# Allegro board FMDEMOD-Long.brd (continued)
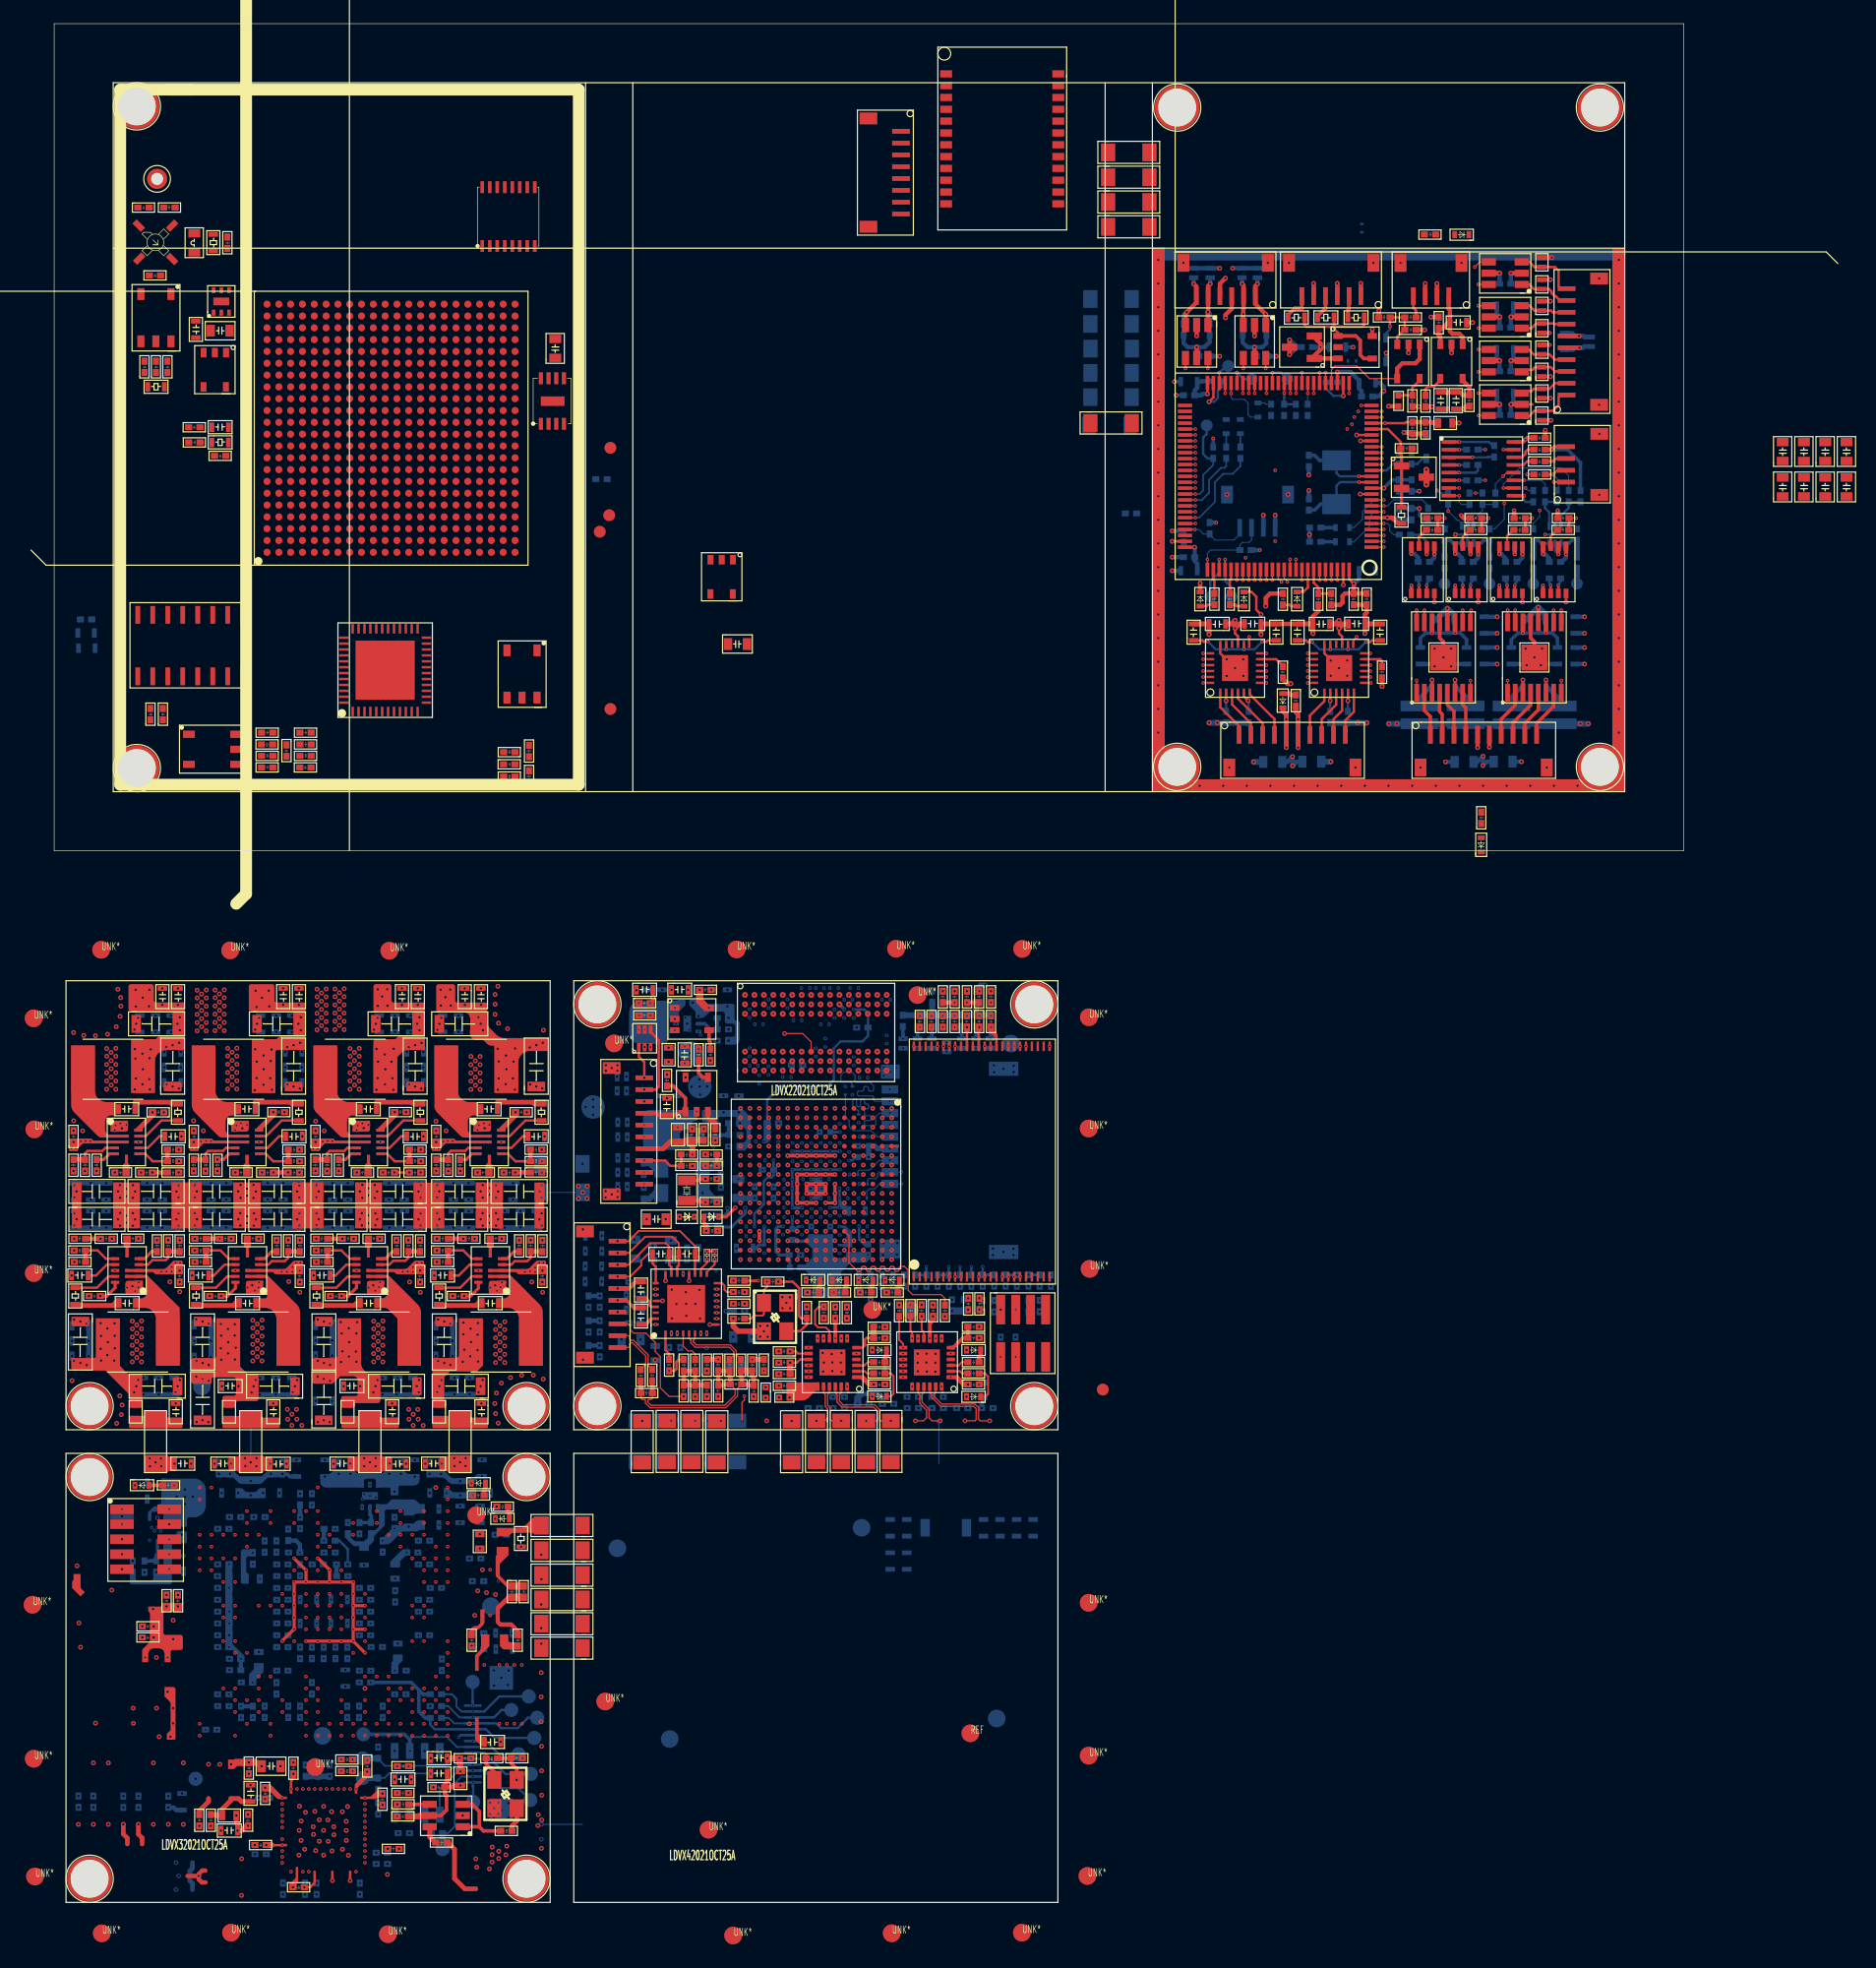
[diagram p0: board, top side]
## Placement (name value [footprint] x y rotation side) (continued)
C287  0.22uF  [C0201]  62.35 -19.3 180 bottom
C288  0.22uF  [C0201]  68.84 -19.34 180 bottom
C289  0.22uF  [C0201]  59.84 -19.05 270 bottom
C290  0.1uF/25V  [C0603]  31.36 -20.04 180 bottom
C291  0.1uF/25V  [C0603]  21.07 -20.04 180 bottom
C292  0.1uF/25V  [C0603]  10.83 -20.04 180 bottom
C293  0.1uF  [C0201]  64.95 -20.58 90 bottom
C294  0.1uF  [C0201]  63.41 -19.97 270 bottom
C295  10uF  [C0603]  58.38 -20.63 270 bottom
C296  10uF  [C0603]  57.08 -20.63 270 bottom
C297  10uF  [C0603]  53.1 -20.63 270 bottom
C298  10uF  [C0603]  51.79 -20.63 270 bottom
C299  10uF  [C0402]  60.37 -22.81 0 bottom
C300  0.1uF  [C0201]  66.37 -23.76 90 bottom
C301  0.1uF  [C0201]  68.84 -24.35 180 bottom
C302  0.22uF  [C0201]  60.07 -24.74 180 bottom
C303  0.22uF  [C0201]  66.37 -25.38 90 bottom
C304  0.22uF  [C0201]  65.57 -25.38 90 bottom
C305  0.22uF  [C0201]  64.77 -25.38 90 bottom
C306  0.22uF  [C0201]  63.97 -25.38 90 bottom
C307  0.22uF  [C0201]  63.17 -25.38 90 bottom
C308  0.22uF  [C0201]  62.37 -25.38 90 bottom
C309  0.1uF  [C0201]  67.47 -25.55 270 bottom
C310  0.22uF  [C0201]  60.86 -26.34 180 bottom
C311  0.22uF  [C0201]  66.37 -26.94 90 bottom
C312  0.1uF  [C0201]  65.57 -26.94 90 bottom
C313  0.1uF  [C0201]  64.77 -26.94 90 bottom
C314  0.1uF  [C0201]  63.97 -26.94 90 bottom
C315  0.22uF  [C0201]  63.17 -26.94 90 bottom
C316  0.22uF  [C0201]  62.37 -26.94 90 bottom
C317  22uF  [C0402]  60.93 -27.25 180 bottom
C318  0.22uF  [C0201]  64.97 -27.65 0 bottom
C319  0.22uF  [C0201]  64.05 -27.95 180 bottom
C320  0.1uF  [C0201]  62.45 -27.98 180 bottom
C321  0.22uF  [C0201]  62.45 -28.74 180 bottom
C322  10uF  [C0805]  58.55 -27.59 270 bottom
C323  0.22uF  [C0201]  66.56 -28.45 0 bottom
C324  0.22uF  [C0402]  65.02 -28.85 180 bottom
C325  0.1uF/50V  [C0603]  34.7 -29.62 90 bottom
C326  0.1uF/50V  [C0603]  33.41 -29.62 90 bottom
C327  0.1uF/50V  [C0603]  32.12 -29.62 90 bottom
C328  0.1uF/50V  [C0603]  30.54 -29.63 90 bottom
C329  0.1uF/50V  [C0603]  29.24 -29.63 90 bottom
C330  0.1uF/50V  [C0603]  27.96 -29.63 90 bottom
C331  0.1uF/50V  [C0603]  24.46 -29.63 90 bottom
C332  0.1uF/50V  [C0603]  23.18 -29.63 90 bottom
C333  0.1uF/50V  [C0603]  21.89 -29.63 90 bottom
C334  0.1uF/50V  [C0603]  20.28 -29.63 90 bottom
C335  0.1uF/50V  [C0603]  19.79 -28.02 270 bottom
C336  0.1uF/50V  [C0603]  18.48 -28.02 270 bottom
C337  0.1uF/50V  [C0603]  14.97 -28.02 270 bottom
C338  0.1uF/50V  [C0603]  12.89 -29.63 90 bottom
C339  0.1uF/50V  [C0603]  11.59 -29.63 90 bottom
C340  0.1uF/25V  [C0603]  10.06 -29.63 90 bottom
C341  0.1uF/25V  [C0603]  8.76 -29.63 90 bottom
C342  0.1uF/25V  [C0603]  7.47 -29.63 90 bottom
C343  0.1uF/25V  [C0603]  3.99 -29.63 90 bottom
C344  0.1uF/25V  [C0603]  2.69 -29.63 90 bottom
C345  0.1uF/25V  [C0603]  1.4 -29.63 90 bottom
C346  0.1uF/50V  [C0603]  37.15 -29.63 90 bottom
C347  0.1uF/50V  [C0603]  38.45 -29.63 90 bottom
C348  0.1uF  [C0402]  59.58 -28.42 270 bottom
C349  0.22uF  [C0402]  60.68 -29.42 90 bottom
C350  0.22uF  [C0201]  64.97 -29.25 0 bottom
C351  0.22uF  [C0201]  64.05 -29.55 180 bottom
C352  0.22uF  [C0201]  62.45 -29.55 180 bottom
C353  0.22uF  [C0201]  66.56 -29.25 0 bottom
C354  0.22uF  [C0201]  62.45 -30.35 180 bottom
C355  10uF  [C0603]  67.19 -30.08 0 bottom
C356  0.22uF  [C0201]  66.66 -30.24 270 bottom
C357  0.22uF  [C0201]  65.87 -30.24 270 bottom
C358  0.22uF  [C0201]  63.47 -30.24 270 bottom
C359  0.1uF  [C0201]  64.77 -30.96 90 bottom
C360  0.1uF  [C0201]  63.97 -30.96 90 bottom
C361  0.1uF  [C0402]  55.21 -30.64 0 bottom
C362  0.1uF  [C0201]  62.45 -31.15 180 bottom
C363  0.1uF  [C0201]  60.86 -31.15 180 bottom
C364  0.1uF/50V  [C0603]  14.97 -30.39 270 bottom
C365  0.1uF/50V  [C0603]  13.69 -30.39 270 bottom
C366  0.1uF/50V  [C0603]  12.39 -30.39 270 bottom
C367  0.1uF/50V  [C0603]  41.22 -30.39 270 bottom
C368  0.1uF/50V  [C0603]  39.89 -30.39 270 bottom
C369  0.1uF/50V  [C0603]  38.55 -30.39 270 bottom
C370  0.1uF/25V  [C0603]  10.86 -30.39 270 bottom
C371  0.1uF/25V  [C0603]  9.56 -30.39 270 bottom
C372  0.1uF/25V  [C0603]  8.27 -30.39 270 bottom
C373  0.1uF/25V  [C0603]  4.79 -30.39 270 bottom
C374  0.1uF/25V  [C0603]  3.49 -30.39 270 bottom
C375  0.1uF/25V  [C0603]  2.2 -30.39 270 bottom
C376  0.1uF/50V  [C0603]  35.51 -30.4 270 bottom
C377  0.1uF/50V  [C0603]  34.21 -30.4 270 bottom
C378  0.1uF/50V  [C0603]  32.93 -30.4 270 bottom
C379  0.1uF/50V  [C0603]  31.35 -30.4 270 bottom
C380  0.1uF/50V  [C0603]  30.06 -30.4 270 bottom
C381  0.1uF/50V  [C0603]  28.78 -30.4 270 bottom
C382  0.1uF/50V  [C0603]  25.29 -30.4 270 bottom
C383  0.1uF/50V  [C0603]  24 -30.4 270 bottom
C384  0.1uF/50V  [C0603]  22.7 -30.4 270 bottom
C385  0.1uF/50V  [C0603]  21.08 -30.4 270 bottom
C386  0.1uF/50V  [C0603]  19.79 -30.4 270 bottom
C387  0.1uF/50V  [C0603]  18.48 -30.4 270 bottom
C388  0.1uF  [C0201]  68.21 -31.65 0 bottom
C389  0.22uF  [C0201]  59.25 -31.95 180 bottom
C390  0.1uF  [C0402]  55.2 -31.59 0 bottom
C391  0.1uF  [C0201]  63.47 -31.84 270 bottom
C392  0.22uF  [C0201]  61.87 -31.84 270 bottom
C393  0.1uF  [C0201]  66.67 -31.86 270 bottom
C394  15pF/50V  [C0603]  46.48 -32.99 180 bottom
C395  0.1uF  [C0201]  68.21 -32.45 0 bottom
C396  0.22uF  [C0201]  59.25 -32.75 180 bottom
C397  22uF  [C0603]  59.28 -34.04 180 bottom
C398  10uF  [C0805]  49.75 -32.71 270 bottom
C399  0.22uF  [C0201]  60.28 -33.42 270 bottom
C400  0.1uF  [C0201]  66.67 -33.42 270 bottom
C401  10uF  [C0805]  52.84 -32.79 270 bottom
C402  15pF/50V  [C0603]  46.48 -34.27 180 bottom
C403  0.1uF  [C0402]  54.81 -33.59 270 bottom
C404  0.1uF  [C0402]  53.34 -34.58 90 bottom
C405  0.22uF  [C0402]  62.23 -33.96 0 bottom
C406  15pF/50V  [C0603]  44.87 -34.76 0 bottom
C407  15pF/50V  [C0603]  44.87 -36.05 0 bottom
C408  0.1uF  [C0402]  49.64 -36.73 180 bottom
C409  0.1uF  [C0603]  49.95 -38 180 bottom
C410  220pF  [C0402]  45.5 -37.66 270 bottom
C411  10uF  [C0603]  49.95 -39.27 180 bottom
C412  0.1uF  [C0402]  49.64 -40.23 180 bottom
C413  0.1uF/25V  [C0603]  11.77 -39.71 0 bottom
C414  0.1uF/25V  [C0603]  22.04 -39.77 0 bottom
C415  0.1uF/25V  [C0603]  32.23 -39.8 0 bottom
C416  0.1uF/25V  [C0603]  1.42 -39.8 0 bottom
C417  220pF  [C0402]  46.44 -39.76 270 bottom
C418  10uF  [C0805]  57.3 -40.52 0 bottom
C419  10uF  [C0805]  49.85 -41.98 180 bottom
C420  0.1uF/25V  [C0603]  22.04 -41.05 0 bottom
C421  0.1uF/25V  [C0603]  32.23 -41.07 0 bottom
C422  0.1uF/25V  [C0603]  11.77 -41.08 0 bottom
C423  0.1uF/25V  [C0603]  1.42 -41.08 0 bottom
C424  1uF  [C0402]  53.27 -42.03 270 bottom
C425  1uF  [C0402]  52.32 -42.03 270 bottom
C426  0.1uF/25V  [C0603]  22.04 -42.33 0 bottom
C427  0.1uF/25V  [C0603]  1.42 -42.37 0 bottom
C428  0.1uF/25V  [C0603]  32.23 -42.37 0 bottom
C429  0.1uF/25V  [C0603]  11.77 -42.47 0 bottom
C430  0.1uF  [C0402]  70.36 -43.52 180 bottom
C431  10uF  [C0402]  58.17 -43.77 180 bottom
C432  0.1uF/25V  [C0603]  35.59 -44.5 270 bottom
C433  0.1uF/25V  [C0603]  34.29 -44.5 270 bottom
C434  0.1uF/25V  [C0603]  32.98 -44.5 270 bottom
C435  0.1uF/25V  [C0603]  10.56 -44.52 270 bottom
C436  0.1uF/25V  [C0603]  9.24 -44.52 270 bottom
C437  0.1uF/25V  [C0603]  7.95 -44.52 270 bottom
C438  0.1uF/25V  [C0603]  30.78 -44.52 270 bottom
C439  0.1uF/25V  [C0603]  29.49 -44.52 270 bottom
C440  0.1uF/25V  [C0603]  28.2 -44.52 270 bottom
C441  0.1uF/25V  [C0603]  20.52 -44.52 270 bottom
C442  0.1uF/25V  [C0603]  19.17 -44.52 270 bottom
C443  0.1uF/25V  [C0603]  17.82 -44.52 270 bottom
C444  0.1uF  [C0402]  72.22 -45.97 0 bottom
C445  0.1uF/25V  [C0603]  22.03 -46.16 0 bottom
C446  10uF  [C0603]  36.63 -51.45 270 bottom
C447  0.1uF  [C0402]  33 -51.76 270 bottom
C448  0.1uF  [C0402]  32.03 -51.76 270 bottom
C449  10uF  [C0603]  30.93 -51.45 270 bottom
C450  0.1uF  [C0402]  29.61 -51.76 270 bottom
C451  0.1uF  [C0402]  28.63 -51.76 270 bottom
C452  0.1uF  [C0402]  25.34 -51.76 270 bottom
C453  0.1uF  [C0402]  24.36 -51.76 270 bottom
C454  10uF  [C0603]  23.33 -51.45 270 bottom
C455  10uF  [C0603]  20.91 -51.45 270 bottom
C456  0.1uF  [C0402]  19.58 -51.76 270 bottom
C457  0.1uF  [C0402]  18.61 -51.76 270 bottom
C458  0.1uF  [C0402]  15.15 -51.76 270 bottom
C459  0.1uF  [C0402]  14.2 -51.76 270 bottom
C460  0.1uF  [C0402]  90.7 28.8 0 bottom
C461  10uF  [C0603]  7.78 -53.12 0 bottom
C462  10uF  [C0603]  37.04 -54.75 180 bottom
C463  10uF  [C0603]  31.71 -53.95 0 bottom
C464  10uF  [C0603]  19.19 -54.75 180 bottom
C465  10uF  [C0603]  14.08 -53.95 0 bottom
C466  10uF  [C0603]  7.78 -54.46 0 bottom
C467  10uF  [C0603]  32.68 -56.1 180 bottom
C468  10uF  [C0603]  36.46 -55.35 270 bottom
C469  10uF  [C0603]  33.97 -56.96 90 bottom
C470  0.1uF  [C0402]  16.89 -56.14 0 bottom
C471  0.1uF  [C0402]  15.81 -56.64 180 bottom
C472  0.1uF  [C0402]  105.59 42.87 0 bottom
C473  0.1uF  [C0402]  29.07 -56.4 270 bottom
C474  10uF  [C0603]  32.68 -57.45 180 bottom
C475  10nF/1kV  [C1206]  73.9 -56.5 0 bottom
C476  1nF  [C0603]  82.5 -58.1 90 bottom
C477  1nF  [C0603]  81.1 -58.1 90 bottom
C478  0.1uF  [C0402]  13.83 -57.14 0 bottom
C479  0.1uF  [C0402]  109.8 21.79 270 top
C480  0.1uF  [C0402]  38.31 -58.14 180 bottom
C481  0.1uF  [C0402]  31.81 -58.64 180 bottom
C482  0.1uF  [C0402]  28.07 -58.38 270 bottom
C483  0.1uF  [C0402]  19.06 -58.39 270 bottom
C484  0.1uF  [C0402]  18.07 -58.39 270 bottom
C485  0.1uF  [C0402]  30.81 -59.64 180 bottom
C486  0.1uF  [C0402]  23.81 -59.64 180 bottom
C487  0.1uF  [C0402]  115 34.3 180 top
C488  10uF  [C0603]  11.59 44.92 270 top
C489  10uF  [C0603]  25.84 -60.55 90 bottom
C490  0.1uF  [C0402]  16.57 -60.38 90 bottom
C491  0.1uF  [C0402]  35.16 -59.64 0 bottom
C492  10uF  [C0805]  152.4 32.79 90 top
C493  10uF  [C0805]  150.6 32.79 90 top
C494  10uF  [C0805]  148.8 32.79 90 top
C495  10uF  [C0805]  147 32.79 90 top
C496  1nF  [C0603]  71.8 -60.91 90 bottom
C497  1nF  [C0603]  70.4 -60.91 90 bottom
C498  0.1uF  [C0402]  14.81 -60.64 180 bottom
C499  0.1uF  [C0402]  22.81 -60.64 180 bottom
C500  0.1uF  [C0402]  31.81 -60.64 180 bottom
C501  0.1uF  [C0402]  18.83 -60.14 0 bottom
C502  0.1uF  [C0402]  21.07 -60.39 270 bottom
C503  10uF  [C0603]  11.04 -61.38 180 bottom
C504  0.1uF  [C0402]  114.1 33.7 270 bottom
C505  0.1uF  [C0402]  13.82 -61.13 0 bottom
C506  0.1uF  [C0402]  18.83 -61.14 0 bottom
C507  0.1uF  [C0402]  46.84 31.2 180 bottom
C508  0.1uF  [C0402]  35.4 -61.56 0 bottom
C509  0.1uF  [C0402]  26.81 -62.64 180 bottom
C510  0.1uF  [C0402]  13.83 -62.14 0 bottom
C511  0.1uF  [C0402]  18.83 -62.14 0 bottom
C512  0.1uF  [C0402]  32.81 -62.64 180 bottom
C513  22pF  [C0402]  106 32.5 90 bottom
C514  0.1uF  [C0402]  28.63 -63.58 90 bottom
C515  0.1uF  [C0201]  110.6 52.4 90 bottom
C516  10uF  [C0603]  23.33 -62.97 0 bottom
C517  10uF  [C0603]  22.33 -63.77 180 bottom
C518  0.1uF  [C0402]  26.81 -63.64 180 bottom
C519  0.1uF  [C0402]  31.81 -63.64 180 bottom
C520  0.1uF  [C0402]  18.83 -63.14 0 bottom
C521  0.1uF  [C0402]  13.83 -63.14 0 bottom
C522  0.1uF  [C0402]  26.81 -64.64 180 bottom
C523  0.1uF  [C0402]  13.84 -64.14 0 bottom
C524  0.1uF  [C0402]  31.81 -64.64 180 bottom
C525  0.1uF  [C0402]  115.2 31.4 270 bottom
C526  0.1uF  [C0402]  18.83 -64.14 0 bottom
C527  22pF  [C0402]  106.5 29.8 270 bottom
C529  0.1uF  [C0402]  26.81 -65.64 180 bottom
C530  10uF  [C0603]  23.33 -64.99 0 bottom
C531  10uF  [C0603]  22.33 -65.79 180 bottom
C532  0.1uF  [C0402]  114.7 28 90 bottom
C533  0.1uF  [C0402]  13.84 -65.14 0 bottom
C534  0.1uF  [C0402]  18.83 -65.14 0 bottom
C535  10uF  [C0805]  147 29.79 90 top
C536  10uF  [C0805]  148.8 29.79 90 top
C537  10uF  [C0805]  150.6 29.79 90 top
C538  10uF  [C0805]  152.4 29.79 90 top
C539  0.1uF  [C0201]  109.6 41.6 0 bottom
C540  10uF  [C0603]  37.29 -65.81 0 bottom
C541  0.1uF  [C0402]  35.4 -65.96 0 bottom
C542  0.1uF  [C0402]  26.81 -66.63 180 bottom
C543  0.1uF  [C0402]  18.83 -66.13 0 bottom
C544  0.1uF  [C0402]  31.81 -66.64 180 bottom
C545  0.1uF  [C0402]  13.84 -66.14 0 bottom
C546  0.1uF  [C0402]  108.7 39.4 180 bottom
C548  0.1uF  [C0402]  27.81 -67.64 180 bottom
C549  0.1uF  [C0402]  13.84 -67.14 0 bottom
C550  0.1uF  [C0402]  18.83 -67.14 0 bottom
C551  10uF  [C0603]  38.9 -67.96 180 bottom
C552  0.1uF  [C0402]  36.39 -67.81 180 bottom
C553  0.1uF  [C0402]  101.8 42.1 0 bottom
C554  0.1uF  [C0402]  24.57 -68.37 90 bottom
C555  0.1uF  [C0402]  23.57 -68.37 90 bottom
C556  0.1uF  [C0402]  22.57 -68.37 90 bottom
C557  0.1uF  [C0402]  21.57 -68.37 90 bottom
C558  0.1uF  [C0402]  20.57 -68.37 90 bottom
C559  0.1uF  [C0402]  14.83 -68.13 0 bottom
C561  0.1uF  [C0402]  33.07 -68.4 270 bottom
C562  0.1uF  [C0402]  14.83 -69.09 0 bottom
C563  0.1uF  [C0402]  29.82 -69.63 180 bottom
C564  0.1uF  [C0402]  26.82 -69.63 180 bottom
C565  0.1uF  [C0402]  18.83 -69.14 0 bottom
C566  0.1uF  [C0402]  115.5 24.7 0 bottom
C567  0.1uF  [C0402]  117.2 28.4 180 top
C568  0.1uF  [C0402]  126.6 24.7 0 bottom
C569  0.1uF  [C0402]  128.3 28.4 180 top
C570  0.1uF  [C0402]  122.9 24.7 0 bottom
C571  0.1uF  [C0402]  124.6 28.4 180 top
C572  0.1uF  [C0402]  119.2 24.7 0 bottom
C573  0.1uF  [C0402]  95.4 26.1 90 bottom
C574  0.1uF  [C0402]  120.9 28.4 180 top
C575  10uF  [C0603]  25.06 -69.22 270 bottom
C577  0.1uF  [C0402]  15.83 -70.13 0 bottom
C578  0.1uF  [C0402]  25.83 -70.14 0 bottom
C579  0.1uF  [C0402]  18.57 -71.37 90 bottom
C580  0.1uF  [C0402]  28.83 -71.13 0 bottom
C581  0.1uF  [C0402]  13.83 -71.14 0 bottom
C582  0.1uF  [C0402]  14.82 -72.64 180 bottom
C583  0.1uF  [C0402]  28.07 -72.38 270 bottom
C584  0.1uF  [C0402]  26.07 -72.38 270 bottom
C585  0.1uF  [C0402]  25.07 -72.38 270 bottom
C586  0.1uF  [C0402]  21.07 -72.38 270 bottom
C587  0.1uF  [C0402]  20.07 -72.38 270 bottom
C588  0.1uF  [C0402]  18.07 -72.38 270 bottom
C589  0.1uF  [C0402]  16.57 -73.37 90 bottom
C590  10uF  [C0603]  99.3 19.6 180 top
C591  0.1uF  [C0402]  125.3 34.7 0 top
C592  0.1uF  [C0603]  100.7 18.8 0 top
C593  0.1uF  [C0402]  12.8 -74.13 0 bottom
C594  2.2uF  [C0603]  103.9 17.7 90 top
C595  2.2uF  [C0603]  96.9 17.7 90 top
C596  0.1uF  [C0402]  122.2 34.3 270 bottom
C597  0.1uF  [C0402]  23.59 -77.36 270 bottom
C598  0.1uF  [C0402]  22.61 -77.36 270 bottom
C599  0.1uF  [C0402]  21.54 -77.36 270 bottom
C600  0.1uF  [C0402]  123.37 47.73 180 bottom
C601  0.1uF  [C0402]  119.6 32.9 0 bottom
C602  0.1uF  [C0402]  17.27 -79.9 0 bottom
C603  0.1uF  [C0402]  123.37 36.63 180 bottom
C604  0.1uF  [C0402]  9.41 -80.97 90 bottom
C605  33pF  [C0402]  3.56 -79.99 270 bottom
C606  0.1uF  [C0402]  97.9 41.6 180 bottom
C607  0.1uF  [C0402]  119.6 34.2 0 bottom
C608  0.1uF  [C0402]  27.18 -81.53 90 bottom
C609  0.1uF  [C0402]  123.37 44.03 180 bottom
C610  0.1uF  [C0402]  123.37 40.33 180 bottom
C611  0.1uF  [C0402]  119.6 31.6 0 bottom
C612  0.1uF  [C0402]  29.12 -82.89 0 bottom
C613  0.1uF  [C0402]  28.24 -85.05 180 bottom
C614  0.1uF  [C0402]  16.99 -84.68 0 bottom
C615  10uF  [C0603]  3.56 16.74 180 bottom
C616  0.1uF  [C0402]  28.24 -85.99 180 bottom
C617  2.2uF  [C0402]  3.19 19.33 180 bottom
C637  0.1uF  [C0402]  25.63 -88.33 90 bottom
C638  0.1uF  [C0402]  21.97 -88.33 90 bottom
C639  0.1uF  [C0402]  20.99 -88.33 90 bottom
C640  0.1uF  [C0402]  19.12 -88.33 90 bottom
C641  10uF  [C0603]  3.5 18.03 180 bottom
C642  22uF  [C0805]  120.4 6.9 180 bottom
C643  22uF  [C0805]  104.2 6.9 180 bottom
C644  10uF  [C0603]  127.5 42.3 90 bottom
C645  10uF  [C0603]  122.07 46.5 0 bottom
C646  10uF  [C0603]  122.07 42.8 0 bottom
C647  10uF  [C0603]  122.07 39.1 0 bottom
C648  22uF  [C0805]  105.5 8.16 0 bottom
C649  22uF  [C0805]  121.7 8.16 0 bottom
D1  RB521S-30  [SOD523]  54.2 -30.55 180 top
D2  RB521S-30  [SOD523]  56.28 -30.55 180 top
D3  BLUE  [LED0402]  63.77 -36.58 0 top
D4  BLUE  [LED0402]  66 -36.58 0 top
D5  BLUE  [LED0402]  68.23 -36.58 0 top
D6  BLUE  [LED0402]  70.47 -36.58 0 top
D7  LED  [LED0402]  70.38 -42 180 top
D8  LED  [LED0402]  78.36 -42 180 top
D9  LED  [LED0402]  70.38 -45.92 180 top
D10  LED  [LED0402]  78.36 -45.95 180 top
D11  LED  [LED0402]  35.43 -53.77 0 top
D12  LED  [LED0402]  6.93 -53.95 0 top
D13  LED  [LED0402]  37.45 -56.78 0 top
D14  LED  [LED0402]  99.5 36.4 270 bottom
D15  LED  [LED0402]  100.7 36.4 270 bottom
D16  LED  [LED0402]  100.5 21.8 270 top
D17  LED  [LED0402]  96.8 21.8 270 top
D18  1N4148WT  [SOD-523F]  112.8 43.4 180 bottom
D19  LED  [LED0402]  101.7 36.8 90 bottom
D20  LED  [LED0402]  109.6 25.9 180 bottom
D21  LED  [LED0402]  109.6 27.1 180 bottom
D22  ESD5451X  [DF1006]  96.8 49.4 270 bottom
D24  ESD5451X  [DF1006]  130.38 43.58 270 bottom
D25  ESD5451X  [DF1006]  98.2 49.4 270 bottom
D26  ESD5451X  [DF1006]  79.57 -15.8 270 bottom
D27  ESD5451X  [DF1006]  78.36 -15.8 270 bottom
D28  ESD5451X  [DF1006]  77.16 -15.81 270 bottom
D29  ESD5451X  [DF1006]  74.63 -15.81 270 bottom
D30  ESD5451X  [DF1006]  73.41 -15.81 270 bottom
D31  ESD5451X  [DF1006]  72.19 -15.81 270 bottom
D32  ESD5451X  [DF1006]  75.28 -17.11 90 bottom
D33  ESD5451X  [DF1006]  48.57 -19.41 180 bottom
D34  ESD5451X  [DF1006]  48.57 -20.62 180 bottom
D35  ESD5451X  [DF1006]  47.63 -22.67 0 bottom
D36  ESD5451X  [DF1006]  47.63 -23.92 0 bottom
D37  ESD5451X  [DF1006]  48.64 -26.3 180 bottom
D38  ESD5451X  [DF1006]  48.63 -27.52 180 bottom
D39  ESD5451X  [DF1006]  48.62 -28.72 180 bottom
D40  1N4148WT  [SOD-523F]  116.2 35.2 180 bottom
D41  BLUE  [LED0402]  119.7 52.39 180 top
D42  BLUE  [LED0402]  121.1 0 90 top
D43  LED  [LED0402]  105 21.8 270 top
D44  ESD5451X  [DF1006]  126.28 43.72 90 top
D45  ESD5451X  [DF1006]  125.68 46.61 270 top
D47  ESD5451X  [DF1006]  125.68 48.43 270 top
D48  ESD5451X  [DF1006]  125.68 50.3 270 top
D49  ESD5451X  [DF1006]  126.28 36.33 90 top
D50  ESD5451X  [DF1006]  126.28 38.2 90 top
D52  ESD5451X  [DF1006]  126.28 40.03 90 top
D53  ESD5451X  [DF1006]  125.68 42.91 270 top
D54  ESD5451X  [DF1006]  100.9 49.4 270 bottom
D55  ESD5451X  [DF1006]  102.2 49.4 270 bottom
D56  BLUE  [LED0402]  104.3 12.2 90 top
J1  HEADER1X10  [SH1D0-SMD-VER-10P]  46.56 -17.98 270 top
J2  HEADER1X10  [SH1D0-SMD-VER-10P]  44.3 -31.8 270 top
J3  HEADER-2X4  [SMD-HEADER-2X4-1D27]  79.5 -44 0 top
J4  HEADER-2X5P  [HEADER-2X5P-1D27-SMD]  9.74 -55.72 270 top
J5  MicroSDSlot  [MICROSD-SMD-9P]  78.3 -26.2 270 bottom
J6  HEADER1X8  [SH1D0-SMD-VER-8P]  68.3 62.4 270 top
J7  HEADER1x6  [SH1D0-SMD-VER-6P]  112.14 50.4 180 top
J9  FPC-14P-0.5  [FPC-14P-0D5]  38.92 -75.6 270 bottom
J14  HEADER-1X10  [SH1D0-SMD-VER-10P]  131.48 37.33 90 top
J15  HEADER1x6  [SH1D0-SMD-VER-6P]  103.2 50.4 180 top
J16  HEADER-1X4  [SH1D0-SMD-VER-4P]  119.6 50.39 180 top
J18  HEADER-1X10  [SH1D0-SMD-VER-10P]  99.1 6.4 0 top
J19  HEADER-1X10  [SH1D0-SMD-VER-10P]  115.3 6.4 0 top
J20  HEADER-1X4  [SH1D0-SMD-VER-4P]  98.9 30.8 0 bottom
J21  HEADER-1X4  [SH1D0-SMD-VER-4P]  131.5 29.7 90 top
L1  BLM18SP102SN1D  [FB0603]  51.63 -16.46 270 top
L2  4.7uH/2A  [CD54-IND-2P]  2.44 -21.03 0 top
L3  4.7uH/2A  [CD54-IND-2P]  12.65 -21.03 0 top
L4  2.2uH/2A  [CD54-IND-2P]  22.96 -21.03 0 top
L5  2.2uH/2A  [CD54-IND-2P]  33.21 -21.03 0 top
L6  BLM18SP102SN1D  [FB0603]  52.42 -23.22 270 top
L7  4.7uH/2A  [CD54-IND-2P]  9.63 -39.04 180 top
L8  4.7uH/2A  [CD54-IND-2P]  19.82 -39.04 180 top
L9  2.2uH/2A  [CD54-IND-2P]  30.07 -39.04 180 top
L10  2.2uH/2A  [CD54-IND-2P]  40.37 -39.04 180 top
L11  BLM18SP102SN1D  [FB0402]  60.01 -45.35 270 top
L12  BLM18SP102SN1D  [FB0402]  61.33 -46.51 0 top
L13  BLM18SP102SN1D  [FB0603]  6.5 -46.68 270 top
L14  BLM18SP102SN1D  [FB0603]  14.4 -46.68 270 top
L15  BLM18SP102SN1D  [FB0603]  24.44 -46.68 270 top
L16  BLM18SP102SN1D  [FB0603]  32.19 -46.68 270 top
L17  BLM18SP102SN1D  [FB0603]  118.6 36.6 180 top
L18  BEAD  [FB0603]  35.64 -57.65 270 top
L19  1uH/100mA  [L0805]  12.48 50.46 90 top
L20  MPZ1005D330ET000  [FB0402]  113.6 38.57 270 top
L21  BEAD  [FB0603]  34 -77.7 270 top
L22  BEAD  [FB0603]  14.03 -82.05 0 top
L23  BLM18SP102SN1D  [FB0402]  64.77 -23.56 0 bottom
L24  BLM18SP102SN1D  [FB0402]  69.02 -25.22 180 bottom
L25  BLM18SP102SN1D  [FB0402]  69.02 -26.16 180 bottom
L26  BLM18SP102SN1D  [FB0402]  65.48 -32.75 90 bottom
L27  BLM18SP102SN1D  [FB0402]  63.87 -32.75 90 bottom
L28  BLM18SP102SN1D  [FB0402]  62.27 -32.98 90 bottom
L29  BLM18SP102SN1D  [FB0402]  68.68 -34.25 90 bottom
L30  BLM18SP102SN1D  [FB0402]  67.08 -34.25 90 bottom
L31  BLM18SP102SN1D  [FB0603]  51.08 -33.22 270 bottom
L32  BLM18SP102SN1D  [FB0402]  63.25 -35.51 180 bottom
L33  BLM18SP102SN1D  [FB0603]  50.5 -43.31 90 bottom
L34  BLM18SP102SN1D  [FB0603]  79.03 -44.82 270 bottom
L35  BEAD  [FB0603]  33.98 -54.75 90 bottom
L36  BEAD  [FB0603]  17.05 -53.14 270 bottom
L37  BEAD  [FB0603]  30.42 -55.8 270 bottom
L38  BEAD  [FB0603]  29.27 -60.2 270 bottom
L39  BEAD  [FB0603]  16.01 -61.22 0 bottom
L40  BEAD  [FB0603]  28.7 -68.5 90 bottom
L41  BEAD  [FB0603]  16.93 -69.21 90 bottom
NOREF  -  []  60.9 -44.68 90 top
NOREF#2  -  []  19.51 -24.58 0 top
NOREF#3  -  []  9.77 -62.16 90 top
NOREF#4  -  []  51.01 -43.5 90 top
NOREF#5  -  []  105.1 36.7 0 top
NOREF#6  -  []  36.59 -60.28 90 top
NOREF#7  -  []  126.15 21.88 0 top
NOREF#8  -  []  30.63 -40.61 90 top
NOREF#9  -  []  32.09 -35.53 0 top
NOREF#10  -  []  78.23 -46.42 90 top
NOREF#11  -  []  124.85 36.12 0 top
NOREF#12  -  []  95.17 24.46 90 top
NOREF#13  -  []  113.85 33.25 0 top
NOREF#14  -  []  124.68 46.61 90 top
NOREF#15  -  []  65.46 -30.5 0 top
NOREF#16  -  []  27.05 -83.58 90 top
NOREF#17  -  []  117.55 32.26 90 top
NOREF#18  -  []  63.68 -28.06 90 top
NOREF#19  -  []  106.5 37.33 90 top
NOREF#20  -  []  42.7 -35.03 90 top
NOREF#21  -  []  23.93 -65.79 90 top
NOREF#22  -  []  32.92 -29.62 90 top
NOREF#23  -  []  26.98 -63.78 0 top
NOREF#24  -  []  150.6 31.54 0 top
NOREF#25  -  []  9.99 -60.55 90 top
NOREF#26  -  []  35.6 -77.7 90 top
NOREF#27  -  []  31.27 -85.64 90 top
NOREF#28  -  []  103.66 18.75 0 top
NOREF#29  -  []  10.31 -15.44 90 top
NOREF#30  -  []  106.71 41.66 90 top
NOREF#31  -  []  119.93 13.38 90 top
NOREF#32  -  []  21.17 -72.85 90 top
NOREF#33  -  []  16.43 -58.95 0 top
NOREF#34  -  []  22.03 -46.97 0 top
NOREF#35  -  []  112 23.29 90 top
NOREF#36  -  []  125.72 30.03 0 top
NOREF#37  -  []  13.11 33.03 0 top
NOREF#38  -  []  24.86 -60.78 90 top
NOREF#39  -  []  25.86 -57.78 90 top
NOREF#40  -  []  15.3 -69.87 90 top
NOREF#41  -  []  44.86 -39.09 0 top
NOREF#42  -  []  63.39 -37.64 90 top
NOREF#43  -  []  79.58 -12.34 0 top
NOREF#44  -  []  23.71 -77.83 90 top
NOREF#45  -  []  54.23 -27.84 0 top
NOREF#46  -  []  36.13 -38.69 90 top
NOREF#47  -  []  70.24 -15.94 0 top
NOREF#48  -  []  30.63 -40.61 0 top
NOREF#49  -  []  33.69 -36.34 90 top
NOREF#50  -  []  34.7 -32 0 top
NOREF#51  -  []  56.62 -45.12 90 top
NOREF#52  -  []  9.87 -31.2 90 top
NOREF#53  -  []  40.95 -36.96 90 top
NOREF#54  -  []  19.76 -88.11 0 top
NOREF#55  -  []  112 40 90 top
NOREF#56  -  []  72.58 -14.38 0 top
NOREF#57  -  []  65.3 67.8 90 top
NOREF#58  -  []  62.5 -43.54 0 top
NOREF#59  -  []  8.75 -31.99 0 top
NOREF#60  -  []  120.07 33.42 90 top
NOREF#61  -  []  13.25 36.25 0 top
NOREF#62  -  []  76.94 -37.96 90 top
NOREF#63  -  []  29.75 -19.8 90 top
NOREF#64  -  []  59.42 -32.03 0 top
NOREF#65  -  []  66.98 -32.83 90 top
NOREF#66  -  []  14.14 49.88 0 top
NOREF#67  -  []  122.25 26.35 0 top
NOREF#68  -  []  18.98 -86.9 0 top
NOREF#69  -  []  59.1 -18.01 0 top
NOREF#70  -  []  119.46 28.85 90 top
NOREF#71  -  []  121.52 29.82 0 top
NOREF#72  -  []  20.29 -56.87 0 top
NOREF#73  -  []  8.99 39.38 90 top
NOREF#74  -  []  64.98 -47.56 0 top
NOREF#75  -  []  6.18 -53.93 90 top
NOREF#76  -  []  98.72 11.33 0 top
NOREF#77  -  []  66.72 -27.59 0 top
NOREF#78  -  []  107.68 43.94 90 top
NOREF#79  -  []  30.34 -79 90 top
NOREF#80  -  []  58.93 -38.72 90 top
NOREF#81  -  []  10.1 -35.03 0 top
NOREF#82  -  []  96.25 13.41 0 top
NOREF#83  -  []  43.05 42.76 0 top
NOREF#84  -  []  20.41 -36.96 90 top
NOREF#85  -  []  76.01 -37.96 0 top
NOREF#86  -  []  124.68 43.51 0 top
NOREF#87  -  []  30.7 -29.64 90 top
NOREF#88  -  []  39.08 -31.99 90 top
NOREF#89  -  []  66.98 -31.57 0 top
NOREF#90  -  []  123 17.3 0 top
NOREF#91  -  []  117.17 50.98 0 top
NOREF#92  -  []  23.44 -61.56 0 top
NOREF#93  -  []  69.06 -28.88 90 top
NOREF#94  -  []  47.63 -23.27 0 top
NOREF#95  -  []  56.11 -27.84 90 top
NOREF#96  -  []  16.58 -55.04 0 top
NOREF#97  -  []  30.42 -55 0 top
NOREF#98  -  []  26.78 -70.99 0 top
NOREF#99  -  []  54.02 -19.41 90 top
NOREF#100  -  []  18.18 -52.29 90 top
NOREF#101  -  []  98.4 32.11 0 top
NOREF#102  -  []  114.49 14.1 90 top
NOREF#103  -  []  20.44 -40.58 90 top
NOREF#104  -  []  7 -66.97 0 top
NOREF#105  -  []  42.34 8.46 90 top
NOREF#106  -  []  34.86 -62.78 90 top
NOREF#107  -  []  127.63 13.38 90 top
NOREF#108  -  []  61.84 -12.91 0 top
NOREF#109  -  []  60.14 -25.42 90 top
NOREF#110  -  []  57.56 -15.33 90 top
NOREF#111  -  []  22.02 -48.05 90 top
NOREF#112  -  []  64.31 -12.32 0 top
NOREF#113  -  []  100.28 32.11 90 top
NOREF#114  -  []  33.14 -51.59 90 top
NOREF#115  -  []  12.07 -39.03 0 top
NOREF#116  -  []  23.82 7.83 90 top
NOREF#117  -  []  104.9 32.19 90 top
NOREF#118  -  []  30.05 -28.03 0 top
NOREF#119  -  []  44.87 -33.16 0 top
NOREF#120  -  []  32.17 -46.1 90 top
NOREF#121  -  []  39.94 -58.19 0 top
NOREF#122  -  []  73.86 -40.5 90 top
NOREF#123  -  []  21.83 -90.38 90 top
NOREF#124  -  []  95.17 38.16 90 top
NOREF#125  -  []  107.68 43.94 0 top
NOREF#126  -  []  125.03 26.76 90 top
NOREF#127  -  []  27.96 -31.23 0 top
NOREF#128  -  []  47.63 -27.52 90 top
NOREF#129  -  []  15.29 -51.59 90 top
NOREF#130  -  []  2.02 -25.12 90 top
NOREF#131  -  []  63.89 -32.19 0 top
NOREF#132  -  []  63.89 -32.19 90 top
NOREF#133  -  []  95.3 24.11 0 top
NOREF#134  -  []  14.17 -28.21 90 top
NOREF#135  -  []  28.86 -66.78 90 top
NOREF#136  -  []  119.2 17.3 0 top
NOREF#137  -  []  25.32 -61.56 90 top
NOREF#138  -  []  70.81 -44.61 90 top
NOREF#139  -  []  97 44.13 90 top
NOREF#140  -  []  65.59 -30.89 0 top
NOREF#141  -  []  20.77 -45.33 90 top
NOREF#142  -  []  12.23 -28.02 0 top
NOREF#143  -  []  99.1 18.8 90 top
NOREF#144  -  []  55.03 -31.4 0 top
NOREF#145  -  []  75.04 -37.96 90 top
NOREF#146  -  []  30.9 -53.95 90 top
NOREF#147  -  []  28.97 -49.71 0 top
NOREF#148  -  []  79.9 -58.1 90 top
NOREF#149  -  []  120.2 18.16 0 top
NOREF#150  -  []  14.85 34.16 90 top
NOREF#151  -  []  10.05 -35.03 90 top
NOREF#152  -  []  26.01 -45.71 90 top
NOREF#153  -  []  150.6 28.54 0 top
NOREF#154  -  []  23.18 -28.03 0 top
NOREF#155  -  []  27.97 -32 0 top
NOREF#156  -  []  121.94 40.97 90 top
NOREF#157  -  []  11.79 -64.78 90 top
NOREF#158  -  []  59.55 -44.38 90 top
NOREF#159  -  []  24.07 -69.46 0 top
NOREF#160  -  []  19.36 -75.6 0 top
NOREF#161  -  []  58.54 -43.81 0 top
NOREF#162  -  []  47.54 -38.13 90 top
NOREF#163  -  []  32.5 -17.04 0 top
NOREF#164  -  []  12.53 33.39 0 top
NOREF#165  -  []  6.11 -82.06 0 top
NOREF#166  -  []  57.57 -19.03 0 top
NOREF#167  -  []  57.3 -41.77 90 top
NOREF#168  -  []  80.4 -33.95 90 top
NOREF#169  -  []  17.33 -13.83 0 top
NOREF#170  -  []  50.51 -16.61 90 top
NOREF#171  -  []  107.96 16.31 0 top
NOREF#172  -  []  58.5 -18.6 0 top
NOREF#173  -  []  73.4 -60.91 90 top
NOREF#174  -  []  77.76 -16.8 90 top
NOREF#175  -  []  26.98 -65.78 0 top
NOREF#176  -  []  37.35 -77.97 90 top
NOREF#177  -  []  108.7 21.32 0 top
NOREF#178  -  []  21.64 -88.11 90 top
NOREF#179  -  []  17.96 -53.19 0 top
NOREF#180  -  []  47.64 -26.3 90 top
NOREF#181  -  []  49.15 -18.4 0 top
NOREF#182  -  []  12.29 -28.21 0 top
NOREF#183  -  []  19.48 -18.73 90 top
NOREF#184  -  []  20.85 -86.9 0 top
NOREF#185  -  []  58.53 -24.23 90 top
NOREF#186  -  []  26.98 -62.78 0 top
NOREF#187  -  []  33.83 -42.37 90 top
NOREF#188  -  []  68.93 -40.68 0 top
NOREF#189  -  []  86.96 48.39 0 top
NOREF#190  -  []  96.8 50 0 top
NOREF#191  -  []  14.16 -31.99 90 top
NOREF#192  -  []  1.42 -40.61 0 top
NOREF#193  -  []  20.41 -36.96 0 top
NOREF#194  -  []  124.13 29.5 0 top
NOREF#195  -  []  78.74 -39.29 90 top
NOREF#196  -  []  64.38 -44.49 90 top
NOREF#197  -  []  107.56 13.43 0 top
NOREF#198  -  []  12.62 -63.45 90 top
NOREF#199  -  []  58.94 -29.84 0 top
NOREF#200  -  []  13.56 -49.71 0 top
NOREF#201  -  []  78.97 -16.8 90 top
NOREF#202  -  []  61.1 -27.39 0 top
NOREF#203  -  []  81.77 -37.96 0 top
NOREF#204  -  []  77.96 -37.41 0 top
NOREF#205  -  []  117.68 39.99 0 top
NOREF#206  -  []  13.17 -25.76 90 top
NOREF#207  -  []  10.2 -32.01 90 top
NOREF#208  -  []  46.6 -40.23 90 top
NOREF#209  -  []  102.2 8.15 0 top
NOREF#210  -  []  65.3 82.9 0 top
NOREF#211  -  []  12.4 44.92 90 top
NOREF#212  -  []  29.62 -25.68 0 top
NOREF#213  -  []  44.72 -40.23 0 top
NOREF#214  -  []  113.26 41.75 90 top
NOREF#215  -  []  61.52 -25.99 90 top
NOREF#216  -  []  123.9 24.37 0 top
NOREF#217  -  []  47.54 -39.45 90 top
NOREF#218  -  []  15.63 -83.33 90 top
NOREF#219  -  []  123.9 29.2 90 top
NOREF#220  -  []  22.05 -43.19 90 top
NOREF#221  -  []  111.56 25.69 90 top
NOREF#222  -  []  11.77 -61.77 90 top
NOREF#223  -  []  116.66 32.65 90 top
NOREF#224  -  []  35.96 -46.12 90 top
NOREF#225  -  []  11.01 -27.61 90 top
NOREF#226  -  []  60.24 -24.82 0 top
NOREF#227  -  []  67.78 -26.04 90 top
NOREF#228  -  []  71.52 -21.21 90 top
NOREF#229  -  []  45.41 31.06 90 top
NOREF#230  -  []  28.46 -35.03 0 top
NOREF#231  -  []  78.79 -43.66 90 top
NOREF#232  -  []  100.9 50 0 top
NOREF#233  -  []  60.16 -14.92 0 top
NOREF#234  -  []  74.9 -40.5 0 top
NOREF#235  -  []  81.97 -36.35 0 top
NOREF#236  -  []  102.27 41.32 90 top
NOREF#237  -  []  148.8 28.54 0 top
NOREF#238  -  []  23.34 -35.97 0 top
NOREF#239  -  []  127.6 24.37 0 top
NOREF#240  -  []  121.5 18.9 0 top
NOREF#241  -  []  25.73 -77.3 90 top
NOREF#242  -  []  37.63 -22.27 90 top
NOREF#243  -  []  62.77 -33.98 90 top
NOREF#244  -  []  119.45 26.76 0 top
NOREF#245  -  []  120.47 41.99 0 top
NOREF#246  -  []  120.42 29.82 0 top
NOREF#247  -  []  16.78 -65.78 90 top
NOREF#248  -  []  11.78 -62.78 90 top
NOREF#249  -  []  72.9 -40.5 90 top
NOREF#250  -  []  128.86 32.55 0 top
NOREF#251  -  []  68.25 -28.08 90 top
NOREF#252  -  []  80.05 -41.25 90 top
NOREF#253  -  []  7.14 -44.52 90 top
NOREF#254  -  []  28.3 -52.29 0 top
NOREF#255  -  []  95.3 40.11 0 top
NOREF#256  -  []  28.77 -51.59 90 top
NOREF#257  -  []  11.01 -25.68 90 top
NOREF#258  -  []  4.66 -80.46 90 top
NOREF#259  -  []  20.33 6.66 0 top
NOREF#260  -  []  134.5 13.06 90 top
NOREF#261  -  []  39.87 -27.61 0 top
NOREF#262  -  []  17.67 -30.4 90 top
NOREF#263  -  []  115.75 26.76 0 top
NOREF#264  -  []  27.05 -27.61 90 top
NOREF#265  -  []  107.73 26.18 90 top
NOREF#266  -  []  127.28 39.43 90 top
NOREF#267  -  []  115.31 31.92 0 top
NOREF#268  -  []  67.44 -37.77 90 top
NOREF#269  -  []  72.81 -16.81 90 top
NOREF#270  -  []  12.62 -27.45 90 top
NOREF#271  -  []  116.68 43.01 90 top
NOREF#272  -  []  28.03 -85.27 0 top
NOREF#273  -  []  113.45 25.58 0 top
NOREF#274  -  []  102.58 32.11 90 top
NOREF#275  -  []  65.49 -26.61 90 top
NOREF#276  -  []  112.01 51.74 90 top
NOREF#277  -  []  25.99 -68.82 90 top
NOREF#278  -  []  77.89 -37.96 90 top
NOREF#279  -  []  33.84 -43.19 90 top
NOREF#280  -  []  120.47 41.99 90 top
NOREF#281  -  []  24.48 -30.4 90 top
NOREF#282  -  []  148.8 28.54 90 top
NOREF#283  -  []  25.17 -27.61 0 top
NOREF#284  -  []  109.37 40.76 0 top
NOREF#285  -  []  62 -19.31 0 top
NOREF#286  -  []  83.67 -40.12 90 top
NOREF#287  -  []  20.43 -32.01 90 top
NOREF#288  -  []  119.7 44.3 90 top
NOREF#289  -  []  8.28 -31.23 0 top
NOREF#290  -  []  66.25 -30.5 0 top
NOREF#291  -  []  119.05 50.98 90 top
NOREF#292  -  []  75.99 -37.96 90 top
NOREF#293  -  []  20.57 8.82 90 top
NOREF#294  -  []  76.91 -45.56 0 top
NOREF#295  -  []  64.07 -21.24 0 top
NOREF#296  -  []  62.98 -27.39 90 top
NOREF#297  -  []  30.63 -41.88 90 top
NOREF#298  -  []  57.29 -16.47 0 top
NOREF#299  -  []  16.43 -60.83 90 top
NOREF#300  -  []  104.4 37.33 90 top
NOREF#301  -  []  124.68 48.43 90 top
NOREF#302  -  []  32.9 -58.14 90 top
NOREF#303  -  []  -0.18 -43.18 0 top
NOREF#304  -  []  22.54 -28.02 0 top
NOREF#305  -  []  11.78 -63.78 90 top
NOREF#306  -  []  23.82 8.82 90 top
NOREF#307  -  []  120.43 27.62 90 top
NOREF#308  -  []  32.23 -41.56 0 top
NOREF#309  -  []  22.33 -62.96 0 top
NOREF#310  -  []  19.87 -78.58 90 top
NOREF#311  -  []  28.75 -81.58 90 top
NOREF#312  -  []  32.19 -38.48 0 top
NOREF#313  -  []  29.25 -30.4 90 top
NOREF#314  -  []  33.84 -17.04 0 top
NOREF#315  -  []  32.68 -59.06 0 top
